# Altium PCB GateDriver_board_pcb.PcbDoc (part 1 of 3) (continued)
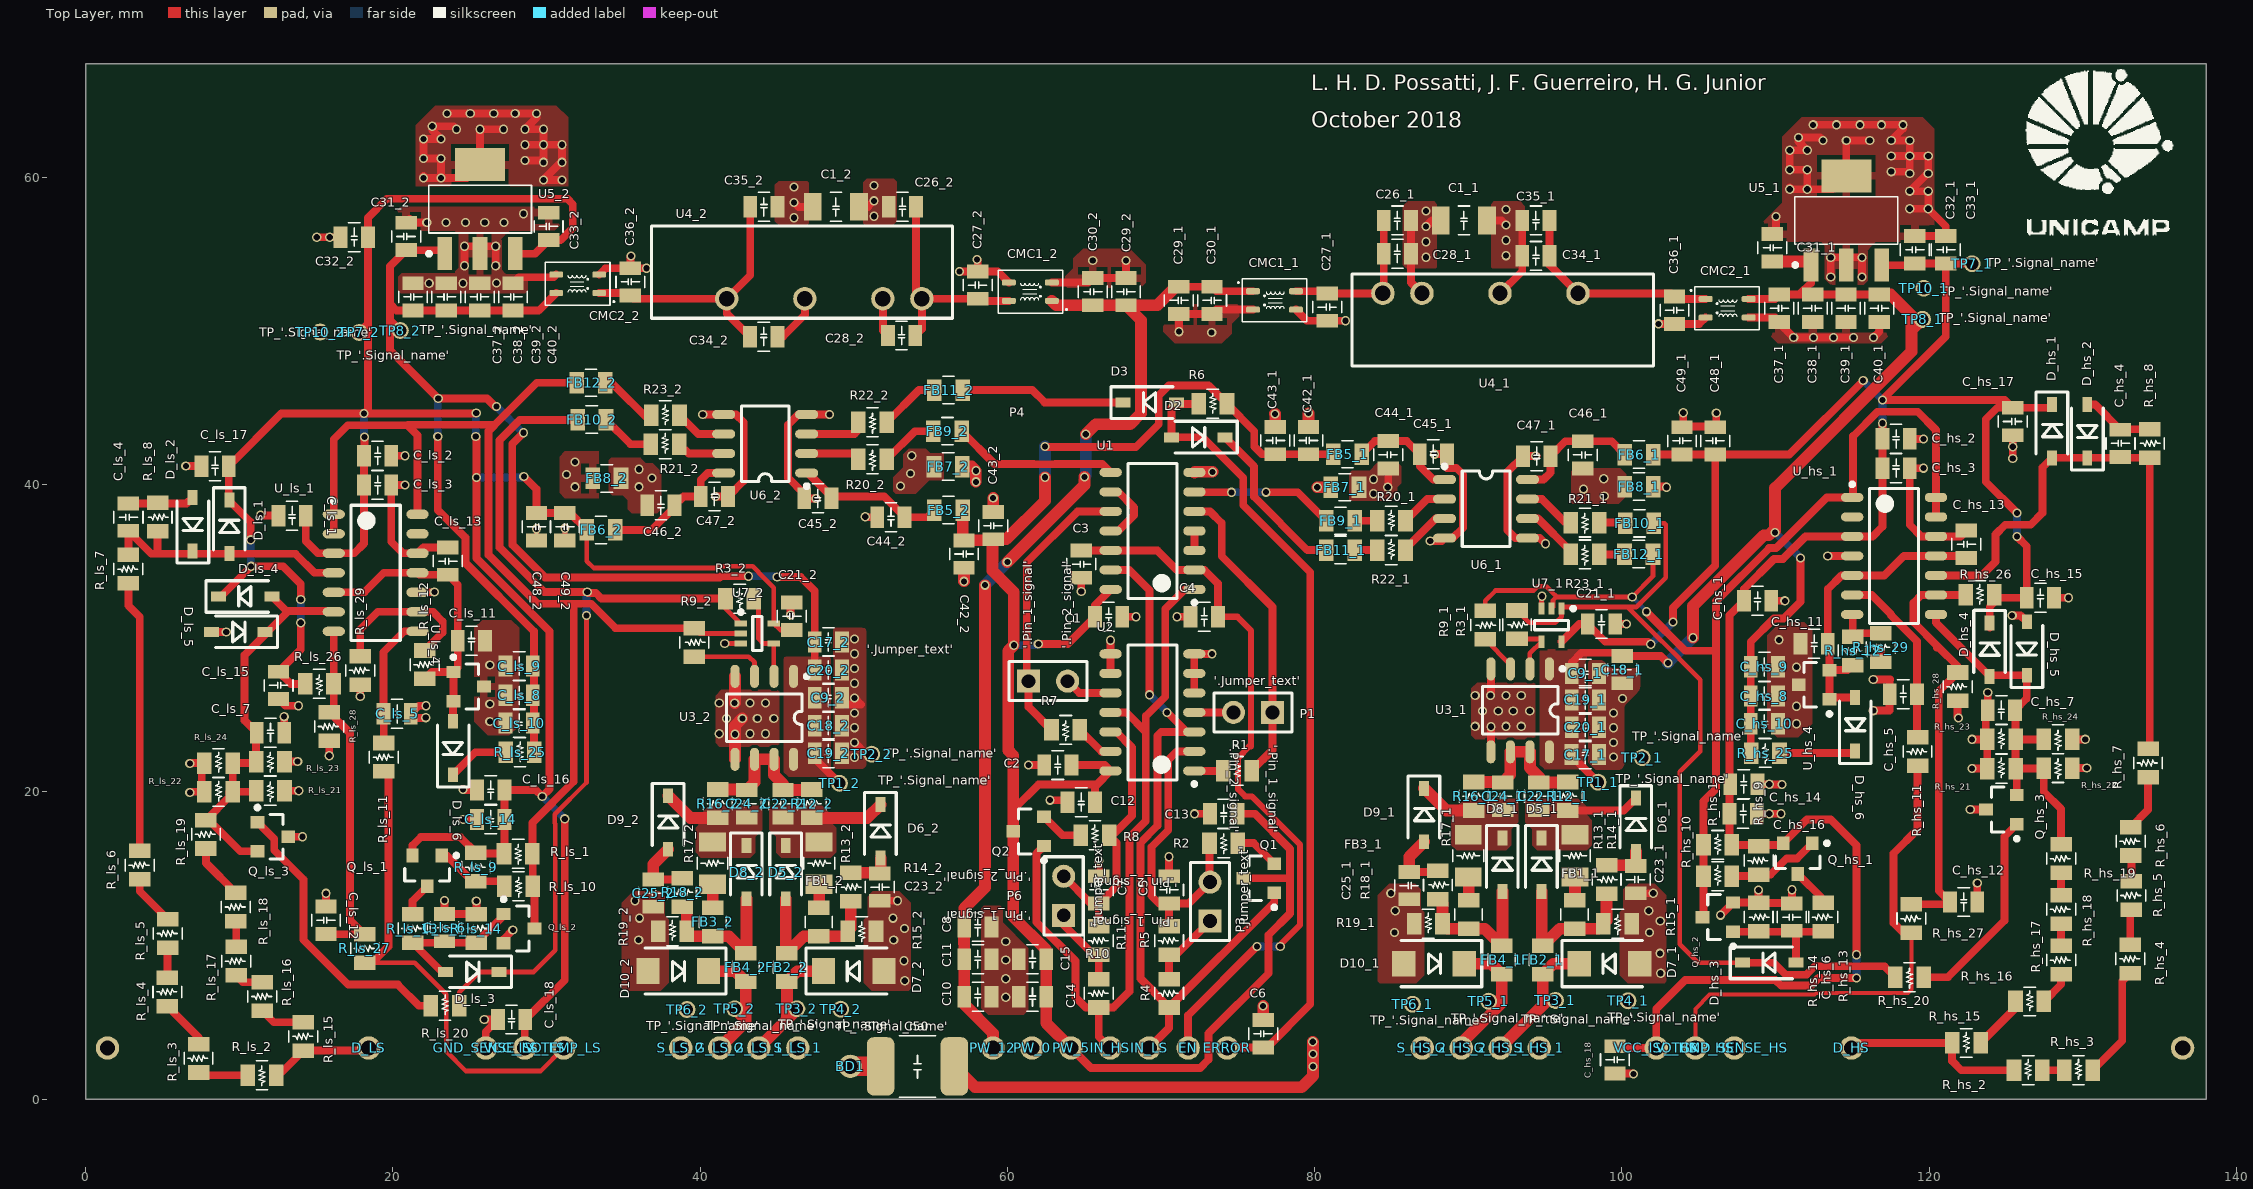
[diagram p0: Top Layer view]
## Classes and differential pairs (continued)
component class Deadtime: BD1 C1 C2 C3 C4 C5 C6 C7 C12 C13 C50 D2 D3 P1 P3 P4 P6 Q1 Q2 R1 R2 R4 R5 R6 R7 R8 R10 R11 U1 U2
component class comparator_ls: C_ls_1 C_ls_2 C_ls_3 C_ls_13 U_ls_1
component class comparator_hs: C_hs_1 C_hs_2 C_hs_3 C_hs_13 U_hs_1

## Components (designator, comment, footprint, x,y, rotation, side; value= is the part's Value field where it differs from the comment)
BD1 "Place far from sensitive circuits" Bonding_pad 49.775,2.125 r0 top value=none
C1 "0805" "Capacitor 0805" 66.59,31.392 r0 top value=100nF
C1_1 "0805" "Capacitor 1206" 89.721,57.192 r0 top value=470pF (schematic designator C1)
C1_2 "0805" "Capacitor 1206" 48.841,58.075 r180 top value=470pF (schematic designator C1)
C2 "0805" "Capacitor 0805" 63.288,21.74 r180 top value=100nF
C3 "0805" "Capacitor 0805" 64.812,34.821 r270 top value=2.2uF
C4 "0805" "Capacitor 0805" 72.813,31.392 r180 top value=10nF
C5 "0805" "Capacitor 0805" 70.527,13.612 r90 top value=10pF
C6 "0805" "Capacitor 0805" 76.65,4.25 r90 top value=10nF
C7 "0805" "Capacitor 0805" 65.955,13.612 r90 top value=10pF
C8 "0805" "Capacitor 0805" 58.081,11.199 r0 top value=10uF
C9_1 "0805" "Capacitor 0805" 97.625,27.7 r0 top value=100nF (schematic designator C9)
C9_2 "0805" "Capacitor 0805" 48.35,26.125 r0 top value=100nF (schematic designator C9)
C10 "0805" "Capacitor 0805" 58.081,6.652 r0 top value=100nF
C11 "0805" "Capacitor 0805" 58.081,9.099 r0 top value=10nF
C12 "0805" "Capacitor 0805" 64.812,19.327 r180 top value=10uF
C13 "0805" "Capacitor 0805" 74.083,18.565 r180 top value=100nF
C14 "0805" "Capacitor 0805" 61.637,6.652 r180 top value=100nF
C15 "0805" "Capacitor 0805" 61.637,9.099 r180 top value=10nF
C17_1 "0805" "Capacitor 0805" 97.615,22.425 r0 top value=2u2F (schematic designator C17)
C17_2 "0805" "Capacitor 0805" 48.35,29.75 r0 top value=2u2F (schematic designator C17)
C18_1 "0805" "Capacitor 0805" 100.025,27.95 r270 top value=100nF (schematic designator C18)
C18_2 "0805" "Capacitor 0805" 48.35,24.3 r0 top value=100nF (schematic designator C18)
C19_1 "0805" "Capacitor 0805" 97.625,25.975 r0 top value=10nF (schematic designator C19)
C19_2 "0805" "Capacitor 0805" 48.35,22.5 r0 top value=10nF (schematic designator C19)
C20_1 "0805" "Capacitor 0805" 97.625,24.2 r0 top value=10nF (schematic designator C20)
C20_2 "0805" "Capacitor 0805" 48.35,27.925 r0 top value=10nF (schematic designator C20)
C21_1 "0805" "Capacitor 0805" 98.675,30.925 r0 top value=100nF (schematic designator C21)
C21_2 "0805" "Capacitor 0805" 45.975,31.425 r90 top value=100nF (schematic designator C21)
C22_1 "0805" "Capacitor 0805" 94.602,19.71 r90 top value=10nF (schematic designator C22)
C22_2 "0805" "Capacitor 0805" 45.4,19.225 r90 top value=10nF (schematic designator C22)
C23_1 "0805" "Capacitor 0805" 100.902,14.285 r270 top value=10nF (schematic designator C23)
C23_2 "0805" "Capacitor 0805" 51.7,13.8 r270 top value=10nF (schematic designator C23)
C24_1 "0805" "Capacitor 0805" 92.241,19.71 r90 top value=10nF (schematic designator C24)
C24_2 "0805" "Capacitor 0805" 43.039,19.225 r90 top value=10nF (schematic designator C24)
C25_1 "0805" "Capacitor 0805" 86.152,13.895 r270 top value=10nF (schematic designator C25)
C25_2 "0805" "Capacitor 0805" 36.95,13.41 r270 top value=10nF (schematic designator C25)
C26_1 "0805" "Capacitor 0805" 85.39,57.192 r0 top value=10uF (schematic designator C26)
C26_2 "0805" "Capacitor 0805" 53.172,58.075 r180 top value=10uF (schematic designator C26)
C27_1 "0805" "Capacitor 0805" 80.818,51.555 r270 top value=100nF (schematic designator C27)
C27_2 "0805" "Capacitor 0805" 58.069,52.987 r90 top value=100nF (schematic designator C27)
C28_1 "0805" "Capacitor 0805" 85.39,55.033 r0 top value=10nF (schematic designator C28)
C28_2 "0805" "Capacitor 0805" 53.115,49.7 r180 top value=10nF (schematic designator C28)
C29_1 "0805" "Capacitor 0805" 71.166,51.985 r270 top value=2u2F (schematic designator C29)
C29_2 "0805" "Capacitor 0805" 67.721,52.557 r90 top value=2u2F (schematic designator C29)
C30_1 "0805" "Capacitor 0805" 73.325,51.985 r270 top value=100nF (schematic designator C30)
C30_2 "0805" "Capacitor 0805" 65.562,52.557 r90 top value=100nF (schematic designator C30)
C31_1 "0805" "Capacitor 0805" 109.8,55.414 r90 top value=330nF (schematic designator C31)
C31_2 "0805" "Capacitor 0805" 20.862,56.147 r90 top value=330nF (schematic designator C31)
C32_1 "0805" "Capacitor 0805" 121.09,55.287 r90 top value=2u2F (schematic designator C32)
C32_2 "0805" "Capacitor 0805" 17.487,56.1 r180 top value=2u2F (schematic designator C32)
C33_1 "0805" "Capacitor 0805" 119.071,55.287 r90 top value=100nF (schematic designator C33)
C33_2 "0805" "Capacitor 0805" 30.137,56.8 r90 top value=100nF (schematic designator C33)
C34_1 "0805" "Capacitor 0805" 94.407,54.882 r180 top value=10nF (schematic designator C34)
C34_2 "0805" "Capacitor 0805" 44.14,49.625 r0 top value=10nF (schematic designator C34)
C35_1 "0805" "Capacitor 0805" 94.407,57.192 r180 top value=100nF (schematic designator C35)
C35_2 "0805" "Capacitor 0805" 44.155,58.075 r0 top value=100nF (schematic designator C35)
C36_1 "0805" "Capacitor 0805" 103.424,51.35 r270 top value=10uF (schematic designator C36)
C36_2 "0805" "Capacitor 0805" 35.463,53.192 r90 top value=10uF (schematic designator C36)
C37_1 "0805" "Capacitor 0805" 110.252,51.477 r270 top value=10uF (schematic designator C37)
C37_2 "0805" "Capacitor 0805" 21.314,52.21 r90 top value=10uF (schematic designator C37)
C38_1 "0805" "Capacitor 0805" 112.421,51.477 r270 top value=100nF (schematic designator C38)
C38_2 "0805" "Capacitor 0805" 23.483,52.21 r90 top value=100nF (schematic designator C38)
C39_1 "0805" "Capacitor 0805" 114.59,51.477 r270 top value=10nF (schematic designator C39)
C39_2 "0805" "Capacitor 0805" 25.652,52.21 r90 top value=10nF (schematic designator C39)
C40_1 "0805" "Capacitor 0805" 116.759,51.477 r270 top value=10uF (schematic designator C40)
C40_2 "0805" "Capacitor 0805" 27.821,52.21 r90 top value=10uF (schematic designator C40)
C42_1 "0805" "Capacitor 0805" 79.602,42.866 r90 top value=2u2F (schematic designator C42)
C42_2 "0805" "Capacitor 0805" 57.175,35.478 r270 top value=2u2F (schematic designator C42)
C43_1 "0805" "Capacitor 0805" 77.443,42.866 r90 top value=100nF (schematic designator C43)
C43_2 "0805" "Capacitor 0805" 59.075,37.325 r90 top value=100nF (schematic designator C43)
C44_1 "0805" "Capacitor 0805" 84.791,41.935 r270 top value=2u2F (schematic designator C44)
C44_2 "0805" "Capacitor 0805" 52.425,37.875 r180 top value=2u2F (schematic designator C44)
C45_1 "0805" "Capacitor 0805" 87.73,41.977 r0 top value=100nF (schematic designator C45)
C45_2 "0805" "Capacitor 0805" 47.666,39.098 r180 top value=100nF (schematic designator C45)
C46_1 "0805" "Capacitor 0805" 97.45,41.925 r270 top value=2u2F (schematic designator C46)
C46_2 "0805" "Capacitor 0805" 37.45,38.65 r180 top value=2u2F (schematic designator C46)
C47_1 "0805" "Capacitor 0805" 94.461,41.85 r180 top value=100nF (schematic designator C47)
C47_2 "0805" "Capacitor 0805" 40.935,39.225 r0 top value=100nF (schematic designator C47)
C48_1 "0805" "Capacitor 0805" 106.075,42.841 r90 top value=2u2F (schematic designator C48)
C48_2 "0805" "Capacitor 0805" 29.35,37.25 r270 top value=2u2F (schematic designator C48)
C49_1 "0805" "Capacitor 0805" 103.916,42.841 r90 top value=100nF (schematic designator C49)
C49_2 "0805" "Capacitor 0805" 31.2,37.25 r270 top value=100nF (schematic designator C49)
C50 "Capacitor type Y" "CAPACITOR 1812" 54.15,2.125 r0 top value="1nF, 1kV"
C_hs_1 "0805" "Capacitor 0805" 108.832,32.43 r0 top value=2.2uF
C_hs_2 "0805" "Capacitor 0805" 117.849,42.971 r0 top value=100nF
C_hs_3 "0805" "Capacitor 0805" 117.849,41.066 r0 top value=10nF
C_hs_4 "0805" "Capacitor 0805" 132.454,42.679 r90 top value=33pF
C_hs_5 "0805" "Capacitor 0805" 118.325,26.35 r180 top value=100nF
C_hs_6 "0805" "Capacitor 0805" 111.06,11.842 r90 top value=22nF
C_hs_7 "0805" "Capacitor 0805" 124.707,25.318 r180 top value=10nF
C_hs_8 "0805" "Capacitor 0805" 109.28,26.232 r0 top value=2.2uF
C_hs_9 "0805" "Capacitor 0805" 109.28,28.137 r0 top value=100nF
C_hs_10 "0805" "Capacitor 0805" 109.28,24.429 r0 top value=10nF
C_hs_11 "0805" "Capacitor 0805" 112.515,29.636 r180 top value=100nF
C_hs_12 "0805" "Capacitor 0805" 122.25,12.825 r0 top value=100nF
C_hs_13 "0805" "Capacitor 0805" 122.421,36.113 r90 top value=100nF
C_hs_14 "0805" "Capacitor 0805" 107.943,20.492 r0 top value=1uF
C_hs_15 "0805" "Capacitor 0805" 127.247,32.629 r0 top value=100nF
C_hs_16 "0805" "Capacitor 0805" 107.893,18.573 r0 top value=47nF
C_hs_17 "0805" "Capacitor 0805" 125.442,44.103 r270 top value=100nF
C_hs_18 "0805" "Capacitor 0805" 99.55,2.55 r270 top value=2.2uF
C_ls_1 "0805" "Capacitor 0805" 13.44,37.975 r180 top value=2.2uF
C_ls_2 "0805" "Capacitor 0805" 19.006,41.874 r0 top value=100nF
C_ls_3 "0805" "Capacitor 0805" 19.006,39.969 r0 top value=10nF
C_ls_4 "0805" "Capacitor 0805" 2.78,37.877 r90 top value=33pF
C_ls_5 "0805" "Capacitor 0805" 20.275,25.075 r0 top value=100nF
C_ls_6 "0805" "Capacitor 0805" 23.36,11.16 r90 top value=22nF
C_ls_7 "0805" "Capacitor 0805" 12.035,23.85 r0 top value=47pF
C_ls_8 "0805" "Capacitor 0805" 28.221,26.279 r180 top value=2.2uF
C_ls_9 "0805" "Capacitor 0805" 28.221,28.184 r180 top value=100nF
C_ls_10 "0805" "Capacitor 0805" 28.221,24.476 r180 top value=10nF
C_ls_11 "0805" "Capacitor 0805" 25.113,29.825 r0 top value=100nF
C_ls_12 "0805" "Capacitor 0805" 15.65,11.64 r90 top value=100nF
C_ls_13 "0805" "Capacitor 0805" 23.578,35.016 r90 top value=100nF
C_ls_14 "0805" "Capacitor 0805" 26.368,18.2 r180 top value=1uF
C_ls_15 "0805" "Capacitor 0805" 12.56,26.925 r270 top value=100nF
C_ls_16 "0805" "Capacitor 0805" 26.368,20.119 r180 top value=100nF
C_ls_17 "0805" "Capacitor 0805" 8.425,41.2 r180 top value=100nF
C_ls_18 "0805" "Capacitor 0805" 27.725,5.175 r180 top value=2.2uF
CMC1_1 "ACP3225" ACP3225 77.389,51.985 r0 top (schematic designator CMC1)
CMC1_2 "ACP3225" ACP3225 61.498,52.557 r180 top (schematic designator CMC1)
CMC2_1 "ACP3225" ACP3225 106.853,51.477 r0 top (schematic designator CMC2)
CMC2_2 "ACP3225" ACP3225 32.034,53.065 r180 top (schematic designator CMC2)
D2 "BAT46Z" "SOD 123" 72.425,43.075 r0 top
D3 "BAT46Z" "SOD 123" 69.275,45.35 r180 top
D5_1 "1N5819HW" "SOD 123" 94.777,15.26 r90 top (schematic designator D5)
D5_2 "1N5819HW" "SOD 123" 45.575,14.775 r90 top (schematic designator D5)
D6_1 "BAT46Z" "SOD 123" 100.925,17.85 r90 top (schematic designator D6)
D6_2 "BAT46Z" "SOD 123" 51.75,17.425 r90 top (schematic designator D6)
D7_1 "824500201" "DO 214" 99.202,8.81 r180 top value="TVS 20V" (schematic designator D7)
D7_2 "824500201" "DO 214" 50,8.325 r180 top value="TVS 20V" (schematic designator D7)
D8_1 "1N5819HW" "SOD 123" 92.227,15.26 r90 top (schematic designator D8)
D8_2 "1N5819HW" "SOD 123" 43.025,14.775 r90 top (schematic designator D8)
D9_1 "BAT46Z" "SOD 123" 87.127,18.485 r90 top (schematic designator D9)
D9_2 "BAT46Z" "SOD 123" 37.925,18 r90 top (schematic designator D9)
D10_1 "824500201" "DO 214" 87.777,8.81 r0 top value="TVS 20V" (schematic designator D10)
D10_2 "824500201" "DO 214" 38.575,8.325 r0 top value="TVS 20V" (schematic designator D10)
D_HS "Board interconection" "SINGLE PAD - RIGHT ANGLE" 114.945,3.325 r180 top value="Male Header 1 pin - 90 degrees"
D_hs_1 "BAT46Z" "SOD 123" 128.009,43.479 r90 top
D_hs_2 "BAT46Z" "SOD 123" 130.295,43.479 r270 top
D_hs_3 "BAT46Z" "SOD 123" 109.6,8.875 r180 top
D_hs_4 "BAT46Z" "SOD 123" 123.945,29.255 r90 top
D_hs_5 "BAT46Z" "SOD 123" 126.358,29.327 r270 top
D_hs_6 "BZT52C8V2-7-F" "SOD 123" 115.182,24.391 r270 top value=BZT52C8V2
D_LS "Board interconection" "SINGLE PAD - RIGHT ANGLE" 18.425,3.325 r180 top value="Male Header 1 pin - 90 degrees"
D_ls_1 "BAT46Z" "SOD 123" 9.36,37.252 r90 top
D_ls_2 "BAT46Z" "SOD 123" 6.971,37.427 r270 top
D_ls_3 "BAT46Z" "SOD 123" 25.175,8.275 r0 top
D_ls_4 "BAT46Z" "SOD 123" 10.385,32.725 r180 top
D_ls_5 "BAT46Z" "SOD 123" 9.945,30.4 r0 top
D_ls_6 "BZT52C8V2-7-F" "SOD 123" 23.91,22.85 r270 top value=BZT52C8V2
EN "Board interconection" "Single pad - Right Angle" 71.765,3.325 r180 top locked value="Male Header 1 pin - 90 degrees"
ERROR "Board interconection" "Single pad - Right Angle" 74.305,3.325 r180 top locked value="Male Header 1 pin - 90 degrees"
FB1_1 "Ferrite bead 0805" "Bead 0805" 96.927,12.01 r270 top value="Resistance @ Frequency" (schematic designator FB1)
FB1_2 "Ferrite bead 0805" "Bead 0805" 47.725,11.525 r270 top value="Resistance @ Frequency" (schematic designator FB1)
FB2_1 "Ferrite bead 0805" "Bead 0805" 94.852,9.06 r270 top value="Resistance @ Frequency" (schematic designator FB2)
FB2_2 "Ferrite bead 0805" "Bead 0805" 45.65,8.575 r270 top value="Resistance @ Frequency" (schematic designator FB2)
FB3_1 "Ferrite bead 0805" "Bead 0805" 90.027,12.01 r270 top value="Resistance @ Frequency" (schematic designator FB3)
FB3_2 "Ferrite bead 0805" "Bead 0805" 40.825,11.525 r270 top value="Resistance @ Frequency" (schematic designator FB3)
FB4_1 "Ferrite bead 0805" "Bead 0805" 92.177,9.06 r270 top value="Resistance @ Frequency" (schematic designator FB4)
FB4_2 "Ferrite bead 0805" "Bead 0805" 42.975,8.575 r270 top value="Resistance @ Frequency" (schematic designator FB4)
FB5_1 "Ferrite bead 0805" "Bead 0805" 82.142,41.976 r0 top value="Resistance @ Frequency" (schematic designator FB5)
FB5_2 "Ferrite bead 0805" "Bead 0805" 56.175,38.336 r180 top value="Resistance @ Frequency" (schematic designator FB5)
FB6_1 "Ferrite bead 0805" "Bead 0805" 101.122,41.951 r0 top value="Resistance @ Frequency" (schematic designator FB6)
FB6_2 "Ferrite bead 0805" "Bead 0805" 33.55,37.05 r180 top value="Resistance @ Frequency" (schematic designator FB6)
FB7_1 "Ferrite bead 0805" "Bead 0805" 81.967,39.827 r0 top value="Resistance @ Frequency" (schematic designator FB7)
FB7_2 "Ferrite bead 0805" "Bead 0805" 56.152,41.174 r180 top value="Resistance @ Frequency" (schematic designator FB7)
FB8_1 "Ferrite bead 0805" "Bead 0805" 101.122,39.868 r0 top value="Resistance @ Frequency" (schematic designator FB8)
FB8_2 "Ferrite bead 0805" "Bead 0805" 33.925,40.4 r180 top value="Resistance @ Frequency" (schematic designator FB8)
FB9_1 "Ferrite bead 0805" "Bead 0805" 81.692,37.638 r0 top value="Resistance @ Frequency" (schematic designator FB9)
FB9_2 "Ferrite bead 0805" "Bead 0805" 56.1,43.475 r180 top value="Resistance @ Frequency" (schematic designator FB9)
FB10_1 "Ferrite bead 0805" "Bead 0805" 101.15,37.475 r180 top value="Resistance @ Frequency" (schematic designator FB10)
FB10_2 "Ferrite bead 0805" "Bead 0805" 32.95,44.225 r0 top value="Resistance @ Frequency" (schematic designator FB10)
FB11_1 "Ferrite bead 0805" "Bead 0805" 81.692,35.733 r0 top value="Resistance @ Frequency" (schematic designator FB11)
FB11_2 "Ferrite bead 0805" "Bead 0805" 56.175,46.15 r180 top value="Resistance @ Frequency" (schematic designator FB11)
FB12_1 "Ferrite bead 0805" "Bead 0805" 101.1,35.475 r180 top value="Resistance @ Frequency" (schematic designator FB12)
FB12_2 "Ferrite bead 0805" "Bead 0805" 32.9,46.625 r0 top value="Resistance @ Frequency" (schematic designator FB12)
FIX1 "Mounting_hole" "Mounting Hole - GateDriver-Right Angle" 1.425,3.325 r0 bottom locked value=none
FIX2 "Mounting_hole" "Mounting Hole - GateDriver-Right Angle" 136.5,3.325 r0 bottom locked value=none
G_HS_1 "Board interconection" "SINGLE PAD - RIGHT ANGLE" 92.085,3.325 r180 top locked value="Male Header 1 pin - 90 degrees"
G_HS_2 "Board interconection" "SINGLE PAD - RIGHT ANGLE" 89.545,3.325 r180 top locked value="Male Header 1 pin - 90 degrees"
G_LS_1 "Board interconection" "SINGLE PAD - RIGHT ANGLE" 43.825,3.325 r180 top locked value="Male Header 1 pin - 90 degrees"
G_LS_2 "Board interconection" "SINGLE PAD - RIGHT ANGLE" 41.285,3.325 r180 top locked value="Male Header 1 pin - 90 degrees"
GND_SENSE_HS "Board interconection" "Single pad - Right Angle" 107.325,3.325 r180 top value="Male Header 1 pin - 90 degrees"
GND_SENSE_LS "Board interconection" "Single pad - Right Angle" 26.045,3.325 r180 top value="Male Header 1 pin - 90 degrees"
IN_HS "Board interconection" "Single pad - Right Angle" 66.685,3.325 r180 top locked value="Male Header 1 pin - 90 degrees"
IN_LS "Board interconection" "Single pad - Right Angle" 69.225,3.325 r180 top locked value="Male Header 1 pin - 90 degrees"
P1 "HEADER 2 pins" "HDR1X2 - Jumper" 77.258,25.169 r180 top
P3 "HEADER 2 pins" "HDR1X2 - Jumper" 73.194,11.58 r90 top
P4 "HEADER 2 pins" "HDR1X2 - Jumper" 61.383,27.201 r0 top
P6 "HEADER 2 pins" "HDR1X2 - Jumper" 63.669,11.961 r90 top
PW_0 "Board interconection" "Single pad - Right Angle" 61.605,3.325 r180 top locked value="Male Header 1 pin - 90 degrees"
PW_5 "Board interconection" "Single pad - Right Angle" 64.145,3.325 r180 top locked value="Male Header 1 pin - 90 degrees"
PW_12 "Board interconection" "Single pad - Right Angle" 59.065,3.325 r180 top locked value="Male Header 1 pin - 90 degrees"
Q1 "BC847" "SOT 23" 76.369,14.374 r180 top
Q2 "BC847" "SOT 23" 61.383,17.422 r180 top
Q_hs_1 "BC857" "SOT 23" 111.449,15.652 r270 top
Q_hs_2 "BC847" "SOT 23" 106.242,11.842 r180 top
Q_hs_3 "BC857" "SOT 23" 124.707,18.841 r180 top
Q_ls_1 "BC857" "SOT 23" 22.235,14.85 r270 top
Q_ls_2 "BC847" "SOT 23" 28.21,11.1 r0 top
Q_ls_3 "BC857" "SOT 23" 12.185,17.075 r0 top
R1 "Resistor 0805" "Resistor 0805" 74.972,21.359 r0 top value=10k
R2 "Resistor 0805" "Resistor 0805" 74.083,16.66 r180 top value=1k
R3_1 "Resistor 0805" "Resistor 0805" 93.175,30.875 r270 top value="0R - DNP" (schematic designator R3)
R3_2 "Resistor 0805" "Resistor 0805" 42.575,32.575 r0 top value="0R - DNP" (schematic designator R3)
R4 "Resistor 0805" "Resistor 0805" 70.527,6.881 r90 top value=20k
R5 "Resistor 0805" "Resistor 0805" 70.527,10.31 r90 top value=20k
R6 "Resistor 0805" "Resistor 0805" 73.375,45.25 r0 top value=10k
R7 "Resistor 0805" "Resistor 0805" 63.796,24.026 r180 top value=10k
R8 "Resistor 0805" "Resistor 0805" 65.701,17.168 r0 top value=1k
R9_1 "Resistor 0805" "Resistor 0805" 91.1,30.85 r270 top value="0R - DNP" (schematic designator R9)
R9_2 "Resistor 0805" "Resistor 0805" 39.625,29.725 r270 top value="0R - DNP" (schematic designator R9)
R10 "Resistor 0805" "Resistor 0805" 65.955,6.881 r90 top value=20k
R11 "Resistor 0805" "Resistor 0805" 65.955,10.31 r90 top value=20k
R12_1 "Resistor 0805" "Resistor 0805" 96.477,19.71 r90 top value=6R8 (schematic designator R12)
R12_2 "Resistor 0805" "Resistor 0805" 47.275,19.225 r90 top value=6R8 (schematic designator R12)
R13_1 "1206" "Resistor 1206" 96.952,15.835 r270 top value=22R (schematic designator R13)
R13_2 "1206" "Resistor 1206" 47.75,15.35 r270 top value=22R (schematic designator R13)
R14_1 "Resistor 0805" "Resistor 0805" 99.002,14.285 r270 top value=10 (schematic designator R14)
R14_2 "Resistor 0805" "Resistor 0805" 49.8,13.8 r270 top value=10 (schematic designator R14)
R15_1 "Resistor 0805" "Resistor 0805" 99.727,11.41 r180 top value=1k (schematic designator R15)
R15_2 "Resistor 0805" "Resistor 0805" 50.525,10.925 r180 top value=1k (schematic designator R15)
R16_1 "Resistor 0805" "Resistor 0805" 90.352,19.71 r90 top value=6R8 (schematic designator R16)
R16_2 "Resistor 0805" "Resistor 0805" 41.15,19.225 r90 top value=6R8 (schematic designator R16)
R17_1 "1206" "Resistor 1206" 90.002,15.835 r270 top value=22R (schematic designator R17)
R17_2 "1206" "Resistor 1206" 40.8,15.35 r270 top value=22R (schematic designator R17)
R18_1 "Resistor 0805" "Resistor 0805" 88.027,13.935 r270 top value=10 (schematic designator R18)
R18_2 "Resistor 0805" "Resistor 0805" 38.825,13.45 r270 top value=10 (schematic designator R18)
R19_1 "Resistor 0805" "Resistor 0805" 87.402,11.41 r0 top value=1k (schematic designator R19)
R19_2 "Resistor 0805" "Resistor 0805" 38.2,10.925 r0 top value=1k (schematic designator R19)
R20_1 "Resistor 0805" "Resistor 0805" 84.994,37.638 r0 top value=100 (schematic designator R20)
R20_2 "Resistor 0805" "Resistor 0805" 51.222,41.638 r180 top value=100 (schematic designator R20)
R21_1 "Resistor 0805" "Resistor 0805" 97.6,37.525 r180 top value=100 (schematic designator R21)
R21_2 "Resistor 0805" "Resistor 0805" 37.725,42.625 r0 top value=100 (schematic designator R21)
R22_1 "Resistor 0805" "Resistor 0805" 84.994,35.733 r0 top value=100 (schematic designator R22)
R22_2 "Resistor 0805" "Resistor 0805" 51.222,44.051 r180 top value=100 (schematic designator R22)
R23_1 "Resistor 0805" "Resistor 0805" 97.6,35.45 r180 top value=100 (schematic designator R23)
R23_2 "Resistor 0805" "Resistor 0805" 37.736,44.501 r0 top value=100 (schematic designator R23)
R_hs_1 "Resistor 0805" "Resistor 0805" 106.242,16.541 r0 top value=10k
R_hs_2 "Resistor 0805" "Resistor 0805" 126.45,1.875 r0 top value=82k
R_hs_3 "Resistor 0805" "Resistor 0805" 129.725,1.875 r0 top value=82k
R_hs_4 "Resistor 0805" "Resistor 0805" 133.1,9.125 r90 top value=82k
R_hs_5 "Resistor 0805" "Resistor 0805" 133.175,13.25 r90 top value=82k
R_hs_6 "Resistor 0805" "Resistor 0805" 133.125,16.775 r90 top value=82k
R_hs_7 "Resistor 0805" "Resistor 0805" 134.25,21.875 r90 top value=82k
R_hs_8 "Resistor 0805" "Resistor 0805" 134.359,42.679 r270 top value=2.7k
R_hs_9 "Resistor 0805" "Resistor 0805" 108.909,15.525 r90 top value=22k
R_hs_10 "Resistor 0805" "Resistor 0805" 106.242,14.509 r0 top value=22k
R_hs_11 "Resistor 0805" "Resistor 0805" 119.246,22.615 r90 top value=10k
R_hs_12 "Resistor 0805" "Resistor 0805" 115.025,29.175 r90 top value=6.8k
R_hs_13 "Resistor 0805" "Resistor 0805" 113.1,11.842 r90 top value=4.7k
R_hs_14 "Resistor 0805" "Resistor 0805" 108.901,11.842 r270 top value=10k
R_hs_15 "Resistor 0805" "Resistor 0805" 122.425,3.65 r0 top value=100k
R_hs_16 "Resistor 0805" "Resistor 0805" 126.55,6.35 r0 top value=100k
R_hs_17 "Resistor 0805" "Resistor 0805" 128.594,9.046 r90 top value=100k
R_hs_18 "Resistor 0805" "Resistor 0805" 128.594,12.348 r90 top value=100k
R_hs_19 "Resistor 0805" "Resistor 0805" 128.594,15.65 r90 top value=100k
R_hs_20 "Resistor 0805" "Resistor 0805" 118.725,7.925 r180 top value=100k
R_hs_21 "Resistor 0805" "Resistor 0805" 124.707,21.508 r0 top value=100k
R_hs_22 "Resistor 0805" "Resistor 0805" 128.39,21.544 r180 top value=100k
R_hs_23 "Resistor 0805" "Resistor 0805" 124.707,23.413 r0 top value=100k
R_hs_24 "Resistor 0805" "Resistor 0805" 128.39,23.413 r180 top value=100k
R_hs_25 "Resistor 0805" "Resistor 0805" 109.34,22.524 r180 top value=330
R_hs_26 "Resistor 0805" "Resistor 0805" 123.31,32.811 r0 top value=22k
R_hs_27 "Resistor 0805" "Resistor 0805" 118.85,11.75 r90 top value=15k
R_hs_28 "Resistor 0805" "Resistor 0805" 121.858,26.842 r90 top value=68k
R_hs_29 "Resistor 0805" "Resistor 0805" 116.85,29.4 r90 top value=3.3k
R_ls_1 "Resistor 0805" "Resistor 0805" 28.16,15.975 r180 top value=10k
R_ls_2 "Resistor 0805" "Resistor 0805" 11.475,1.55 r180 top value=82k
R_ls_3 "Resistor 0805" "Resistor 0805" 7.35,2.65 r90 top value=82k
R_ls_4 "Resistor 0805" "Resistor 0805" 5.325,6.975 r90 top value=82k
R_ls_5 "Resistor 0805" "Resistor 0805" 5.35,10.775 r90 top value=82k
R_ls_6 "Resistor 0805" "Resistor 0805" 3.525,15.225 r90 top value=82k
R_ls_7 "Resistor 0805" "Resistor 0805" 2.785,34.5 r90 top value=82k
R_ls_8 "Resistor 0805" "Resistor 0805" 4.685,37.877 r270 top value=2.7k
R_ls_9 "Resistor 0805" "Resistor 0805" 25.41,15.1 r90 top value=22k
R_ls_10 "Resistor 0805" "Resistor 0805" 28.185,13.85 r180 top value=22k
R_ls_11 "Resistor 0805" "Resistor 0805" 19.41,22.25 r90 top value=10k
R_ls_12 "Resistor 0805" "Resistor 0805" 22.075,28.275 r90 top value=6.8k
R_ls_13 "Resistor 0805" "Resistor 0805" 21.285,11.1 r90 top value=4.7k
R_ls_14 "Resistor 0805" "Resistor 0805" 25.435,11.1 r270 top value=10k
R_ls_15 "Resistor 0805" "Resistor 0805" 14.175,4.075 r90 top value=68k
R_ls_16 "Resistor 0805" "Resistor 0805" 11.5,6.675 r90 top value=68k
R_ls_17 "Resistor 0805" "Resistor 0805" 9.8,8.975 r90 top value=68k
R_ls_18 "Resistor 0805" "Resistor 0805" 9.775,12.5 r90 top value=68k
R_ls_19 "Resistor 0805" "Resistor 0805" 7.835,17.231 r90 top value=68k
R_ls_20 "Resistor 0805" "Resistor 0805" 23.4,6.075 r0 top value=100k
R_ls_21 "Resistor 0805" "Resistor 0805" 12.023,20.064 r180 top value=1.2M
R_ls_22 "Resistor 0805" "Resistor 0805" 8.656,20 r0 top value=1.2M
R_ls_23 "Resistor 0805" "Resistor 0805" 12.023,21.969 r180 top value=1.2M
R_ls_24 "Resistor 0805" "Resistor 0805" 8.656,21.869 r0 top value=1.2M
R_ls_25 "Resistor 0805" "Resistor 0805" 28.281,22.571 r0 top value=330
R_ls_26 "Resistor 0805" "Resistor 0805" 15.21,27.025 r180 top value=22k
R_ls_27 "Resistor 0805" "Resistor 0805" 18.185,9.8 r90 top value=15k
R_ls_28 "Resistor 0805" "Resistor 0805" 15.86,24.25 r90 top value=68k
R_ls_29 "Resistor 0805" "Resistor 0805" 17.875,27.9 r90 top value=3.3k
S_HS_1 "Board interconection" "SINGLE PAD - RIGHT ANGLE" 94.625,3.325 r180 top locked value="Male Header 1 pin - 90 degrees"
S_HS_2 "Board interconection" "SINGLE PAD - RIGHT ANGLE" 87.005,3.325 r180 top locked value="Male Header 1 pin - 90 degrees"
S_LS_1 "Board interconection" "SINGLE PAD - RIGHT ANGLE" 46.365,3.325 r180 top locked value="Male Header 1 pin - 90 degrees"
S_LS_2 "Board interconection" "SINGLE PAD - RIGHT ANGLE" 38.745,3.325 r180 top locked value="Male Header 1 pin - 90 degrees"
TP1_1 "Name of signal" "Test point" 98.45,20.625 r0 top (schematic designator TP1)
TP1_2 "Name of signal" "Test point" 49.075,20.55 r0 top (schematic designator TP1)
TP2_1 "Name of signal" "Test point" 101.325,22.225 r180 top (schematic designator TP2)
TP2_2 "Name of signal" "Test point" 51.175,22.45 r180 top (schematic designator TP2)
TP3_1 "Name of signal" "Test point" 95.677,6.419 r180 top (schematic designator TP3)
TP3_2 "Name of signal" "Test point" 46.3,5.875 r180 top (schematic designator TP3)
TP4_1 "Name of signal" "Test point" 100.402,6.394 r0 top (schematic designator TP4)
TP4_2 "Name of signal" "Test point" 49.15,5.85 r0 top (schematic designator TP4)
TP5_1 "Name of signal" "Test point" 91.327,6.369 r0 top (schematic designator TP5)
TP5_2 "Name of signal" "Test point" 42.25,5.875 r0 top (schematic designator TP5)
TP6_1 "Name of signal" "Test point" 86.377,6.169 r90 top (schematic designator TP6)
TP6_2 "Name of signal" "Test point" 39.15,5.825 r90 top (schematic designator TP6)
TP7_1 "Name of signal" "Test point" 122.8,54.375 r180 top (schematic designator TP7)
TP7_2 "Name of signal" "Test point" 17.812,49.9 r180 top (schematic designator TP7)
TP8_1 "Name of signal" "Test point" 119.575,50.75 r90 top (schematic designator TP8)
TP8_2 "Name of signal" "Test point" 20.487,50.025 r90 top (schematic designator TP8)
TP10_1 "Name of signal" "Test point" 119.65,52.775 r180 top (schematic designator TP10)
TP10_2 "Name of signal" "Test point" 15.262,49.925 r0 top (schematic designator TP10)
U1 "MC74HC08ADG" "SOIC 14" 69.453,36.98 r180 top value=MC74HC08
U2 "MC74HC02ADG" "SOIC 14" 69.442,25.169 r180 top value=MC74HC02
U3_1 "GateDriver 6A" "SOIC 8" 93.38,25.3 r270 top value=MCP14A0602 (schematic designator U3)
U3_2 "GateDriver 6A" "SOIC 8" 44.178,24.815 r270 top value=MCP14A0602 (schematic designator U3)
U4_1 "Isolated power supply" RE-1215S/P 92.248,50.715 r0 top value=RE-1215S (schematic designator U4)
U4_2 "Isolated power supply" RE-1215S/P 46.639,53.827 r180 top value=RE-1215S (schematic designator U4)
U5_1 "78M05" SOT233-4 114.613,57.192 r0 top value=UA78M05 (schematic designator U5)
U5_2 "78M05" SOT233-4 25.675,57.925 r0 top value=UA78M05 (schematic designator U5)
U6_1 "SI8621AB" "SOIC 8" 91.159,38.421 r0 top (schematic designator U6)
U6_2 "SI8621AB" "SOIC 8" 44.237,42.654 r180 top (schematic designator U6)
U7_1 "Single AND gate" SOT353 95.425,30.85 r270 top value=74AHCT1G08SE-7 (schematic designator U7)
U7_2 "Single AND gate" SOT353 43.725,30.3 r0 top value=74AHCT1G08SE-7 (schematic designator U7)
U_hs_1 "Overvoltage" "SOIC 14" 117.722,35.351 r0 top value=LM339
U_hs_4 "TL431A" "SOT 23" 112.515,26.969 r180 top
U_ls_1 "Overvoltage" "SOIC 14" 18.879,34.254 r0 top value=LM339
U_ls_4 "TL431A" "SOT 23" 24.938,26.85 r0 top
V_TEMP_HS "Board interconection" "SINGLE PAD - RIGHT ANGLE" 104.785,3.325 r180 top value="Male Header 1 pin - 90 degrees"
V_TEMP_LS "Board interconection" "SINGLE PAD - RIGHT ANGLE" 31.125,3.325 r180 top value="Male Header 1 pin - 90 degrees"
VCC_ISO_HS "Board interconection" "SINGLE PAD - RIGHT ANGLE" 102.245,3.325 r180 top value="Male Header 1 pin - 90 degrees"
VCC_ISO_LS "Board interconection" "SINGLE PAD - RIGHT ANGLE" 28.585,3.325 r180 top value="Male Header 1 pin - 90 degrees"

## Footprints (in the part's own frame and the unit in brackets; to place one, negate y for a bottom-side part, rotate by r counter-clockwise, add the part's x,y. Pads: shape width x height; smd on the part's side, far side on the other; paste and mask are expansions set on the pad)
ACP3225 [mm] "Footprint of ACP3225 Commom mode choke series"
  rrect50% 0.9x0.4 smd: 1(-1.4,0.6) 2(-1.4,-0.6) 3(1.4,-0.6) 4(1.4,0.6)
  silkscreen extent -2.43,-1.4 2.1,1.4, body extent -1.61,-1.25 1.61,1.25, height 1.91
"Bead 0805" [mm] "SMD ferrite bead package 0805"
  rect 0.95x1.4 smd: 1(-0.925,0) 2(0.925,0)
  silkscreen extent -0.38,-0.89 0.38,0.89, body extent -1.1,-0.72 1.1,0.73, height 0.88
Bonding_pad [mil] "Bonding pad"
  round 60 hole 39.37: 1(0,0)
"Capacitor 0805" [mm] "SMD ceramic Capacitor package 0805"
  rect 0.9x1.39 smd: 1(-0.89,0) 2(0.89,0)
  silkscreen extent -0.38,-0.94 0.38,0.94, body extent -1.1,-0.72 1.1,0.73, height 0.87
"Capacitor 1206" [mm] "SMD ceramic Capacitor package 1206"
  rect 1.15x1.8 smd: 1(-1.5,0) 2(1.5,0)
  silkscreen extent -0.38,-0.94 0.38,0.94, body extent -1.7,-0.9 1.7,0.9, height 0.89
"CAPACITOR 1812" [mm] "SMD ceramic capacitor package 1812"
  rrect50% 1.8x3.8 smd: 1(-2.4,0) 2(2.4,0)
  silkscreen extent -1.2,-2 1.2,2, body extent -2.4,-1.75 2.4,1.75, height 1.85
"DO 214" [mm] "DO 214 package"
  rect 1.52x1.68 smd: 1(-1.97,0) 2(1.97,0)
  silkscreen extent -2.15,-1.5 3.1,1.5, body extent -2.5,-1.35 2.5,1.35, height 2.2
"HDR1X2 - Jumper" [mm] "Added a selection jumper to the original footprint HDR1X2,"
  rect 1.5x1.5 hole 0.9: 1(0,0)
  round 1.5 hole 0.9: 2(2.54,0)
  silkscreen extent -1.27,-1.27 3.81,1.27, body extent -1.17,-1.25 3.91,1.28, height 8.53
"Mounting Hole - GateDriver-Right Angle" [mil] "Mouting pin 90 degrees"
  round 60 hole 39.37: FIX(0,0)
  body extent -48,-13 50,386, height 98
RE-1215S/P [mil] "Isolated power supply 12V/15V 1W"
  round 60 hole 39.37: 1(-307.09,68.11) 2(-207.09,68.11) 4(-7.09,68.11) 6(192.91,68.11)
  silkscreen extent -386,-118 386,118, body extent -386,-118 386,118, height 402
"Resistor 0805" [mm] "SMD resistor package 0805"
  rect 0.95x1.4 smd: 1(-0.925,0) 2(0.925,0)
  silkscreen extent -0.38,-0.94 0.38,0.94, body extent -1.1,-0.72 1.1,0.73, height 0.87
"Resistor 1206" [mm] "SMD resistor package 1206"
  rect 1.25x1.75 smd: 1(-1.375,0) 2(1.375,0)
  silkscreen extent -0.4,-1 0.4,1, body extent -1.6,-0.8 1.6,0.8, height 0.55
"SINGLE PAD - RIGHT ANGLE" [mil] "Pad for 1 single header, right angle"
  round 60 hole 39.37: 1(0,0)
  body extent -50,-13 50,386, height 99
"Single pad - Right Angle" [mil] "Pad for 1 single header, right angle"
  round 60 hole 39.37: 1(0,0)
  body extent -50,-13 50,386, height 99
"SOD 123" [mm] "SOD-123 package"
  rect 0.97x0.65 smd: 1(-1.74,0) 2(1.74,0)
  silkscreen extent -1.5,-1.02 2.54,1.04, body extent -1.85,-0.8 1.85,0.8, height 1.25